# KiCad board BioAmp-EXG-Panel.kicad_pcb (continued)
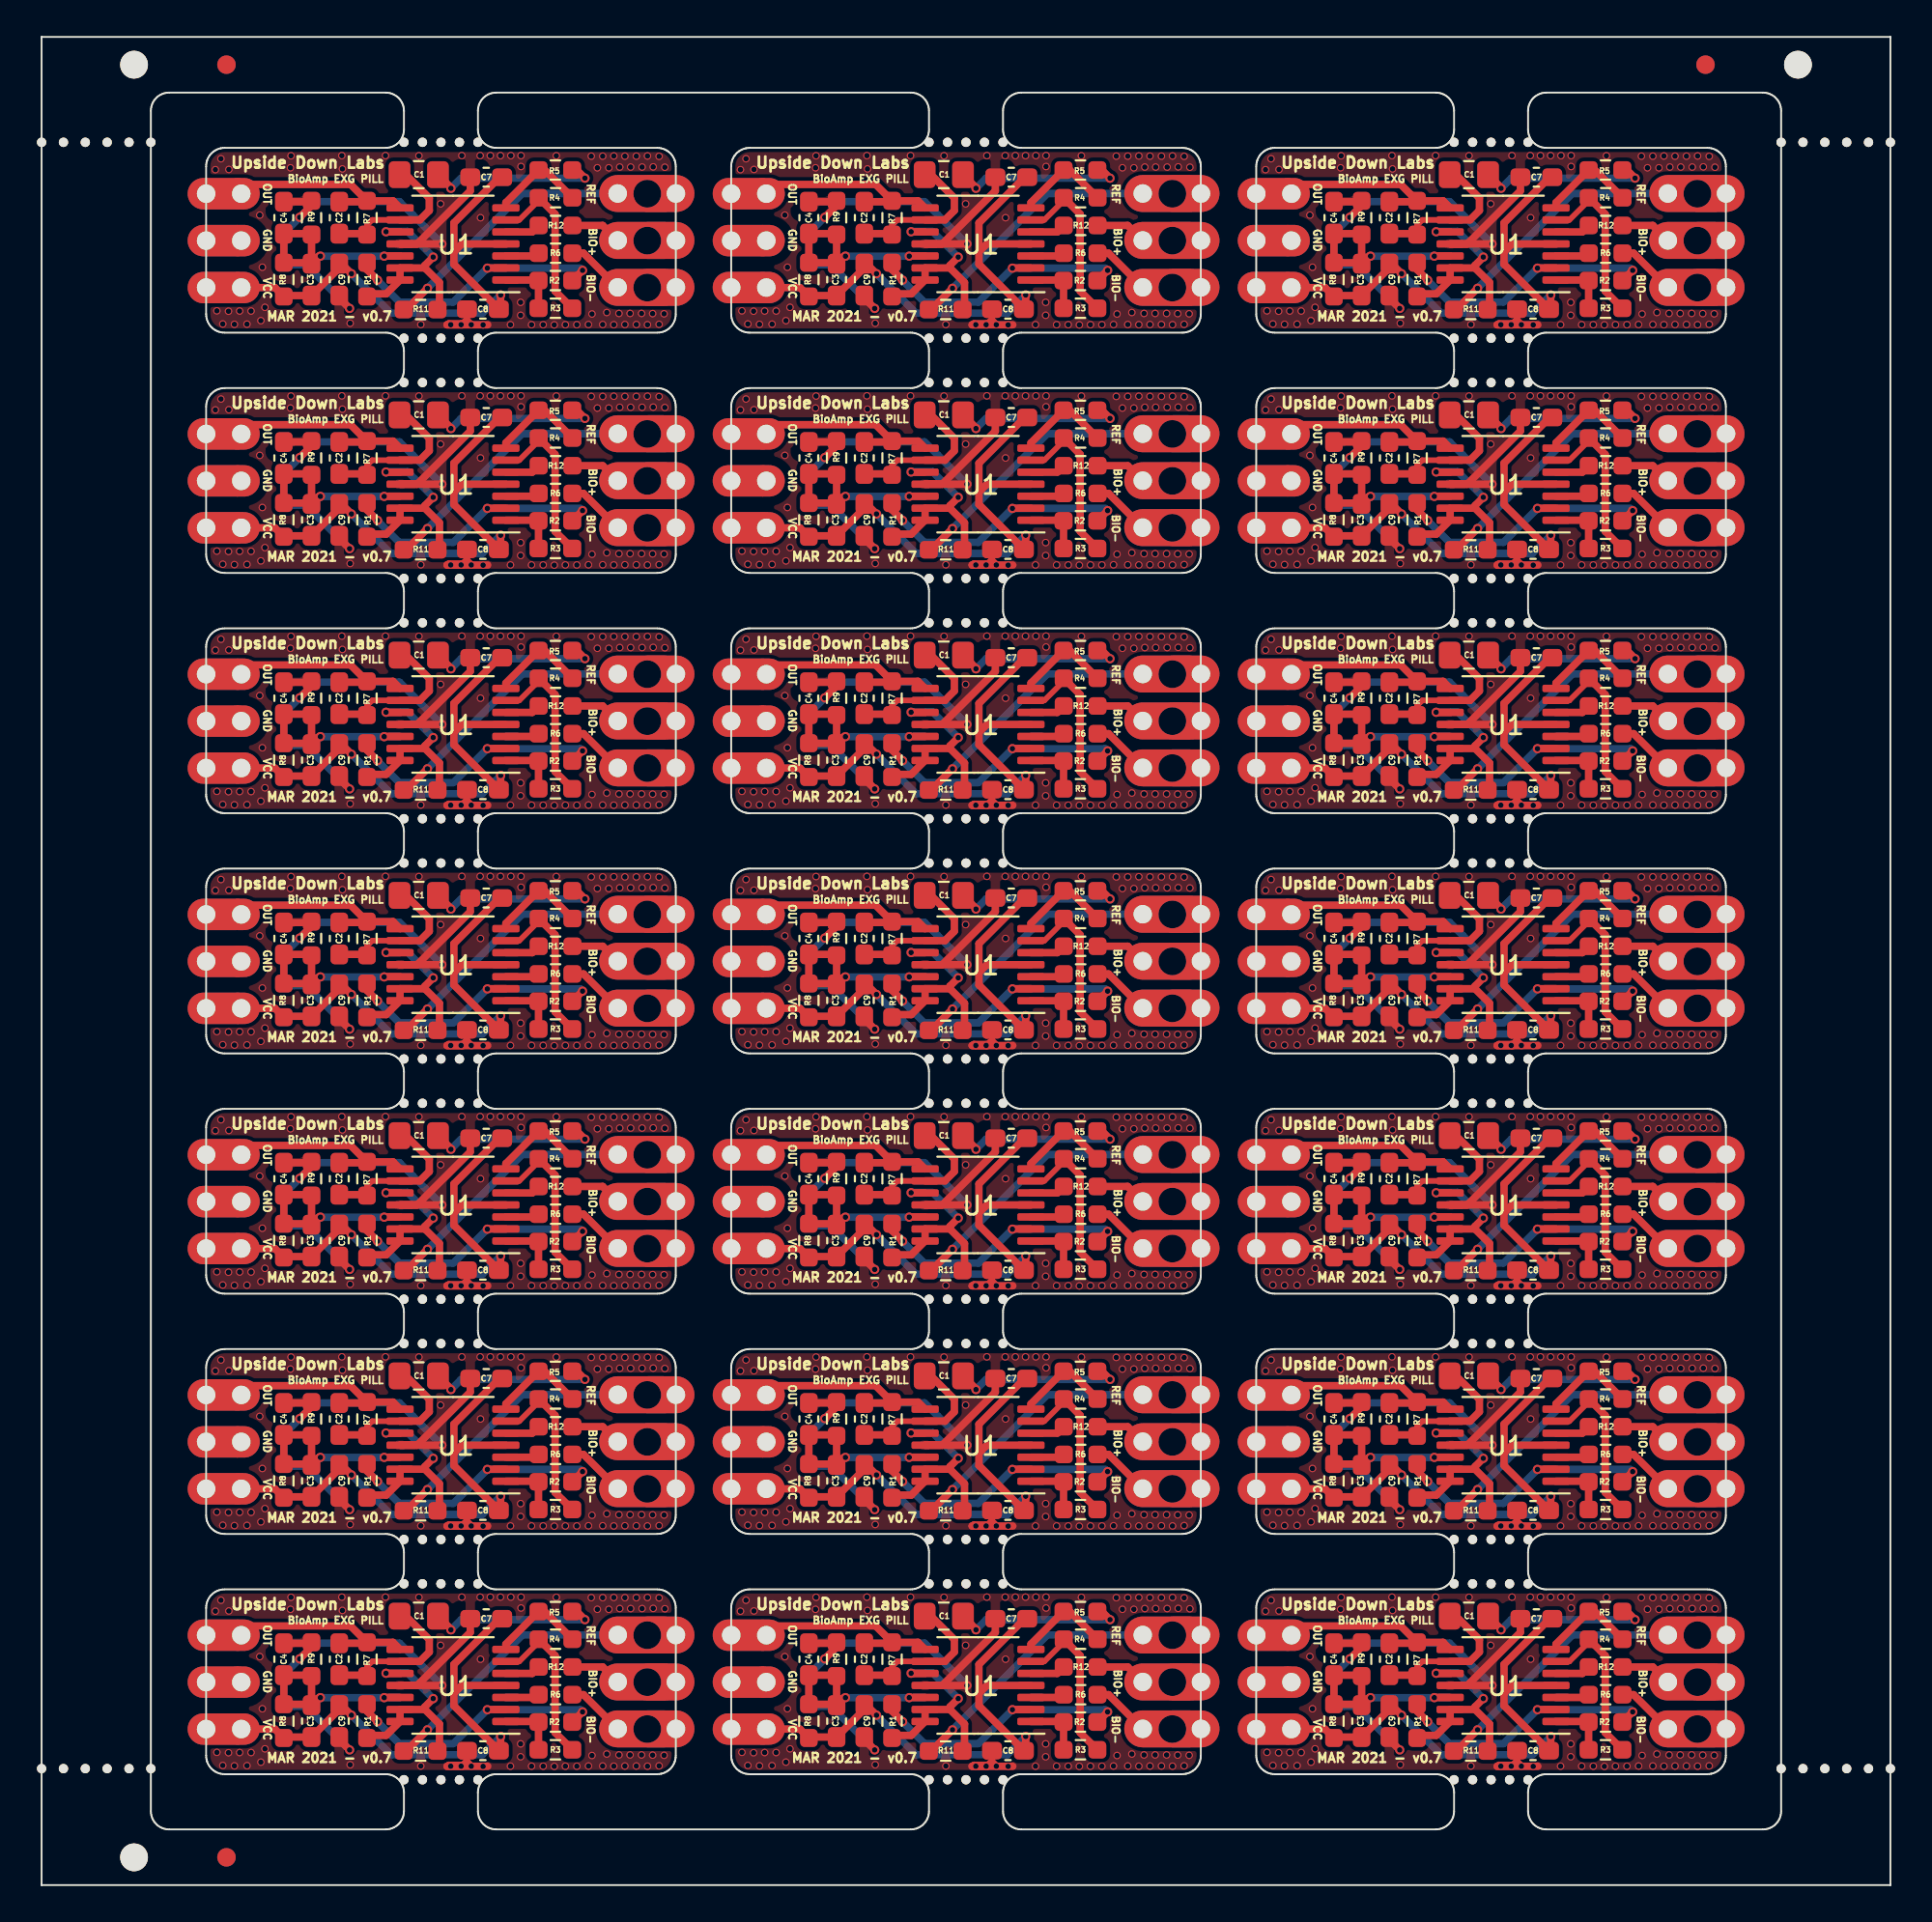
[diagram p0: board, top side]
## Placement (name value [footprint] x y rotation side) (continued)
REF**#193  -  [NPTH#2]  20.6 5.7 0 top
REF**#194  -  [NPTH#2]  21.6 5.7 0 top
REF**#195  -  [NPTH#2]  22.6 5.7 0 top
REF**#196  -  [NPTH#2]  23.6 5.7 0 top
REF**#197  -  [NPTH#2]  52 16.3 0 top
REF**#198  -  [NPTH#2]  51 16.3 0 top
REF**#199  -  [NPTH#2]  50 16.3 0 top
REF**#200  -  [NPTH#2]  49 16.3 0 top
REF**#201  -  [NPTH#2]  48 16.3 0 top
REF**#202  -  [NPTH#2]  48 5.7 0 top
REF**#203  -  [NPTH#2]  49 5.7 0 top
REF**#204  -  [NPTH#2]  50 5.7 0 top
REF**#205  -  [NPTH#2]  51 5.7 0 top
REF**#206  -  [NPTH#2]  52 5.7 0 top
REF**#207  -  [NPTH#2]  80.4 16.3 0 top
REF**#208  -  [NPTH#2]  79.4 16.3 0 top
REF**#209  -  [NPTH#2]  78.4 16.3 0 top
REF**#210  -  [NPTH#2]  77.4 16.3 0 top
REF**#211  -  [NPTH#2]  76.4 16.3 0 top
REF**#212  -  [NPTH#2]  76.4 5.7 0 top
REF**#213  -  [NPTH#2]  77.4 5.7 0 top
REF**#214  -  [NPTH#2]  78.4 5.7 0 top
REF**#215  -  [NPTH#2]  79.4 5.7 0 top
REF**#216  -  [NPTH#2]  80.4 5.7 0 top
REF**#217  -  [NPTH#2]  5.91 94.3 0 top
REF**#218  -  [NPTH#2]  4.73 94.3 0 top
REF**#219  -  [NPTH#2]  3.55 94.3 0 top
REF**#220  -  [NPTH#2]  2.36 94.3 0 top
REF**#221  -  [NPTH#2]  1.18 94.3 0 top
REF**#222  -  [NPTH#2]  0 94.3 0 top
REF**#223  -  [NPTH#2]  5.91 6.3 0 top
REF**#224  -  [NPTH#2]  4.73 6.3 0 top
REF**#225  -  [NPTH#2]  3.55 6.3 0 top
REF**#226  -  [NPTH#2]  2.36 6.3 0 top
REF**#227  -  [NPTH#2]  1.18 6.3 0 top
REF**#228  -  [NPTH#2]  0 6.3 0 top
REF**#229  -  [NPTH#2]  100 94.3 0 top
REF**#230  -  [NPTH#2]  98.82 94.3 0 top
REF**#231  -  [NPTH#2]  97.64 94.3 0 top
REF**#232  -  [NPTH#2]  96.45 94.3 0 top
REF**#233  -  [NPTH#2]  95.27 94.3 0 top
REF**#234  -  [NPTH#2]  94.09 94.3 0 top
REF**#235  -  [NPTH#2]  100 6.3 0 top
REF**#236  -  [NPTH#2]  98.82 6.3 0 top
REF**#237  -  [NPTH#2]  97.64 6.3 0 top
REF**#238  -  [NPTH#2]  96.45 6.3 0 top
REF**#239  -  [NPTH#2]  95.27 6.3 0 top
REF**#240  -  [NPTH#2]  94.09 6.3 0 top
REF**#241  -  [Fiducial]  10 98.5 0 bottom
REF**#242  -  [Fiducial]  90 98.5 0 bottom
REF**#243  -  [Fiducial]  10 1.5 0 bottom
U1  TL074  [TSSOP-14_4.4x5mm_P0.65mm]  22.25 88.8 180 top
U1#2  TL074  [TSSOP-14_4.4x5mm_P0.65mm]  50.65 88.8 180 top
U1#3  TL074  [TSSOP-14_4.4x5mm_P0.65mm]  79.05 88.8 180 top
U1#4  TL074  [TSSOP-14_4.4x5mm_P0.65mm]  22.25 75.8 180 top
U1#5  TL074  [TSSOP-14_4.4x5mm_P0.65mm]  50.65 75.8 180 top
U1#6  TL074  [TSSOP-14_4.4x5mm_P0.65mm]  79.05 75.8 180 top
U1#7  TL074  [TSSOP-14_4.4x5mm_P0.65mm]  22.25 62.8 180 top
U1#8  TL074  [TSSOP-14_4.4x5mm_P0.65mm]  50.65 62.8 180 top
U1#9  TL074  [TSSOP-14_4.4x5mm_P0.65mm]  79.05 62.8 180 top
U1#10  TL074  [TSSOP-14_4.4x5mm_P0.65mm]  22.25 49.8 180 top
U1#11  TL074  [TSSOP-14_4.4x5mm_P0.65mm]  50.65 49.8 180 top
U1#12  TL074  [TSSOP-14_4.4x5mm_P0.65mm]  79.05 49.8 180 top
U1#13  TL074  [TSSOP-14_4.4x5mm_P0.65mm]  22.25 36.8 180 top
U1#14  TL074  [TSSOP-14_4.4x5mm_P0.65mm]  50.65 36.8 180 top
U1#15  TL074  [TSSOP-14_4.4x5mm_P0.65mm]  79.05 36.8 180 top
U1#16  TL074  [TSSOP-14_4.4x5mm_P0.65mm]  22.25 23.8 180 top
U1#17  TL074  [TSSOP-14_4.4x5mm_P0.65mm]  50.65 23.8 180 top
U1#18  TL074  [TSSOP-14_4.4x5mm_P0.65mm]  79.05 23.8 180 top
U1#19  TL074  [TSSOP-14_4.4x5mm_P0.65mm]  22.25 10.8 180 top
U1#20  TL074  [TSSOP-14_4.4x5mm_P0.65mm]  50.65 10.8 180 top
U1#21  TL074  [TSSOP-14_4.4x5mm_P0.65mm]  79.05 10.8 180 top

## Footprints (pads in the part's own frame, mm; a bottom-side part is the same pattern mirrored in y, then rotated)
C_0603_1608Metric_Pad1.08x0.95mm_HandSolder
  rrect 1.075x0.95 smd: 1(-0.863,0) 2(0.863,0)
C_0805_2012Metric_Pad1.18x1.45mm_HandSolder
  rrect 1.175x1.45 smd: 1(-1.038,0) 2(1.038,0)
Fiducial
  round 1 smd: (0,0)
NPTH
  round 1.5 hole 1.5 unplated: (0,0)
NPTH#2
  round 0.5 hole 0.5 unplated: (0,0)
PinHeader_1x03_P2.54mm_Vertical
  oval 3.5x1.7 hole 1: 1(0,0) 2(0,-2.54) 3(0,-5.08)
PinHeader_1x03_P2.54mm_Vertical#2
  oval 3.5x2 hole 1: 1(0,0) 2(0,-2.54) 3(0,-5.08)
PinHeader_1x03_P2.54mm_Vertical#3
  oval 4.5x2 hole 1: 1(0,0) 2(0,-2.54) 3(0,-5.08)
PinHeader_1x03_P2.54mm_Vertical#4
  oval 2x1.7 hole 1: 1(0,0) 2(0,-2.54) 3(0,-5.08)
R_0603_1608Metric_Pad0.98x0.95mm_HandSolder
  rrect 0.975x0.95 smd: 1(-0.912,0) 2(0.912,0)
TSSOP-14_4.4x5mm_P0.65mm
  rrect 1.475x0.4 smd: 1(-2.862,1.95) 2(-2.862,1.3) 3(-2.862,0.65) 4(-2.862,0) 5(-2.862,-0.65) 6(-2.862,-1.3) 7(-2.862,-1.95) 8(2.862,-1.95) 9(2.862,-1.3) 10(2.862,-0.65) 11(2.862,0) 12(2.862,0.65) 13(2.862,1.3) 14(2.862,1.95)

## Nets
Board_1-ampRef: R1.2 R11.2 U1.10 U1.13 U1.14
Board_1-BIO+: J1.2 J1#2.2 R12.2
Board_1-BIO-: J1.3 J1#2.3 R6.2
Board_1-DRL: J1.1 J1#2.1 R11.1
Board_1-GND: C4.2 C7.2 C8.1 C9.1 J2.2 J2#2.2 R9.1 U1.11
Board_1-inaOUT: R4.1 R5.2 U1.7
Board_1-Net-(C1-Pad1): C1.1 C2.2 R7.2 U1.9
Board_1-Net-(C1-Pad2): C1.2 R5.1
Board_1-Net-(R1-Pad1): R1.1 R2.2 U1.2
Board_1-Net-(R2-Pad1): R2.1 R3.2 U1.1
Board_1-Net-(R3-Pad1): R3.1 R4.2 U1.6
Board_1-Net-(R6-Pad1): R6.1 U1.3
Board_1-Net-(R12-Pad1): R12.1 U1.5
Board_1-OUT: C2.1 J2.1 J2#2.1 R7.1 U1.8
Board_1-VCC: C3.1 C7.1 C8.2 C9.2 J2.3 J2#2.3 R8.2 U1.4
Board_1-vRef: C3.2 C4.1 R8.1 R9.2 U1.12
Board_2-ampRef: R1#2.2 R11#2.2 U1#2.10 U1#2.13 U1#2.14
Board_2-BIO+: J1#3.2 J1#4.2 R12#2.2
Board_2-BIO-: J1#3.3 J1#4.3 R6#2.2
Board_2-DRL: J1#3.1 J1#4.1 R11#2.1
Board_2-GND: C4#2.2 C7#2.2 C8#2.1 C9#2.1 J2#3.2 J2#4.2 R9#2.1 U1#2.11
Board_2-inaOUT: R4#2.1 R5#2.2 U1#2.7
Board_2-Net-(C1-Pad1): C1#2.1 C2#2.2 R7#2.2 U1#2.9
Board_2-Net-(C1-Pad2): C1#2.2 R5#2.1
Board_2-Net-(R1-Pad1): R1#2.1 R2#2.2 U1#2.2
Board_2-Net-(R2-Pad1): R2#2.1 R3#2.2 U1#2.1
Board_2-Net-(R3-Pad1): R3#2.1 R4#2.2 U1#2.6
Board_2-Net-(R6-Pad1): R6#2.1 U1#2.3
Board_2-Net-(R12-Pad1): R12#2.1 U1#2.5
Board_2-OUT: C2#2.1 J2#3.1 J2#4.1 R7#2.1 U1#2.8
Board_2-VCC: C3#2.1 C7#2.1 C8#2.2 C9#2.2 J2#3.3 J2#4.3 R8#2.2 U1#2.4
Board_2-vRef: C3#2.2 C4#2.1 R8#2.1 R9#2.2 U1#2.12
Board_3-ampRef: R1#3.2 R11#3.2 U1#3.10 U1#3.13 U1#3.14
Board_3-BIO+: J1#5.2 J1#6.2 R12#3.2
Board_3-BIO-: J1#5.3 J1#6.3 R6#3.2
Board_3-DRL: J1#5.1 J1#6.1 R11#3.1
Board_3-GND: C4#3.2 C7#3.2 C8#3.1 C9#3.1 J2#5.2 J2#6.2 R9#3.1 U1#3.11
Board_3-inaOUT: R4#3.1 R5#3.2 U1#3.7
Board_3-Net-(C1-Pad1): C1#3.1 C2#3.2 R7#3.2 U1#3.9
Board_3-Net-(C1-Pad2): C1#3.2 R5#3.1
Board_3-Net-(R1-Pad1): R1#3.1 R2#3.2 U1#3.2
Board_3-Net-(R2-Pad1): R2#3.1 R3#3.2 U1#3.1
Board_3-Net-(R3-Pad1): R3#3.1 R4#3.2 U1#3.6
Board_3-Net-(R6-Pad1): R6#3.1 U1#3.3
Board_3-Net-(R12-Pad1): R12#3.1 U1#3.5
Board_3-OUT: C2#3.1 J2#5.1 J2#6.1 R7#3.1 U1#3.8
Board_3-VCC: C3#3.1 C7#3.1 C8#3.2 C9#3.2 J2#5.3 J2#6.3 R8#3.2 U1#3.4
Board_3-vRef: C3#3.2 C4#3.1 R8#3.1 R9#3.2 U1#3.12
Board_4-ampRef: R1#4.2 R11#4.2 U1#4.10 U1#4.13 U1#4.14
Board_4-BIO+: J1#7.2 J1#8.2 R12#4.2
Board_4-BIO-: J1#7.3 J1#8.3 R6#4.2
Board_4-DRL: J1#7.1 J1#8.1 R11#4.1
Board_4-GND: C4#4.2 C7#4.2 C8#4.1 C9#4.1 J2#7.2 J2#8.2 R9#4.1 U1#4.11
Board_4-inaOUT: R4#4.1 R5#4.2 U1#4.7
Board_4-Net-(C1-Pad1): C1#4.1 C2#4.2 R7#4.2 U1#4.9
Board_4-Net-(C1-Pad2): C1#4.2 R5#4.1
Board_4-Net-(R1-Pad1): R1#4.1 R2#4.2 U1#4.2
Board_4-Net-(R2-Pad1): R2#4.1 R3#4.2 U1#4.1
Board_4-Net-(R3-Pad1): R3#4.1 R4#4.2 U1#4.6
Board_4-Net-(R6-Pad1): R6#4.1 U1#4.3
Board_4-Net-(R12-Pad1): R12#4.1 U1#4.5
Board_4-OUT: C2#4.1 J2#7.1 J2#8.1 R7#4.1 U1#4.8
Board_4-VCC: C3#4.1 C7#4.1 C8#4.2 C9#4.2 J2#7.3 J2#8.3 R8#4.2 U1#4.4
Board_4-vRef: C3#4.2 C4#4.1 R8#4.1 R9#4.2 U1#4.12
Board_5-ampRef: R1#5.2 R11#5.2 U1#5.10 U1#5.13 U1#5.14
Board_5-BIO+: J1#9.2 J1#10.2 R12#5.2
Board_5-BIO-: J1#9.3 J1#10.3 R6#5.2
Board_5-DRL: J1#9.1 J1#10.1 R11#5.1
Board_5-GND: C4#5.2 C7#5.2 C8#5.1 C9#5.1 J2#9.2 J2#10.2 R9#5.1 U1#5.11
Board_5-inaOUT: R4#5.1 R5#5.2 U1#5.7
Board_5-Net-(C1-Pad1): C1#5.1 C2#5.2 R7#5.2 U1#5.9
Board_5-Net-(C1-Pad2): C1#5.2 R5#5.1
Board_5-Net-(R1-Pad1): R1#5.1 R2#5.2 U1#5.2
Board_5-Net-(R2-Pad1): R2#5.1 R3#5.2 U1#5.1
Board_5-Net-(R3-Pad1): R3#5.1 R4#5.2 U1#5.6
Board_5-Net-(R6-Pad1): R6#5.1 U1#5.3
Board_5-Net-(R12-Pad1): R12#5.1 U1#5.5
Board_5-OUT: C2#5.1 J2#9.1 J2#10.1 R7#5.1 U1#5.8
Board_5-VCC: C3#5.1 C7#5.1 C8#5.2 C9#5.2 J2#9.3 J2#10.3 R8#5.2 U1#5.4
Board_5-vRef: C3#5.2 C4#5.1 R8#5.1 R9#5.2 U1#5.12
Board_6-ampRef: R1#6.2 R11#6.2 U1#6.10 U1#6.13 U1#6.14
Board_6-BIO+: J1#11.2 J1#12.2 R12#6.2
Board_6-BIO-: J1#11.3 J1#12.3 R6#6.2
Board_6-DRL: J1#11.1 J1#12.1 R11#6.1
Board_6-GND: C4#6.2 C7#6.2 C8#6.1 C9#6.1 J2#11.2 J2#12.2 R9#6.1 U1#6.11
Board_6-inaOUT: R4#6.1 R5#6.2 U1#6.7
Board_6-Net-(C1-Pad1): C1#6.1 C2#6.2 R7#6.2 U1#6.9
Board_6-Net-(C1-Pad2): C1#6.2 R5#6.1
Board_6-Net-(R1-Pad1): R1#6.1 R2#6.2 U1#6.2
Board_6-Net-(R2-Pad1): R2#6.1 R3#6.2 U1#6.1
Board_6-Net-(R3-Pad1): R3#6.1 R4#6.2 U1#6.6
Board_6-Net-(R6-Pad1): R6#6.1 U1#6.3
Board_6-Net-(R12-Pad1): R12#6.1 U1#6.5
Board_6-OUT: C2#6.1 J2#11.1 J2#12.1 R7#6.1 U1#6.8
Board_6-VCC: C3#6.1 C7#6.1 C8#6.2 C9#6.2 J2#11.3 J2#12.3 R8#6.2 U1#6.4
Board_6-vRef: C3#6.2 C4#6.1 R8#6.1 R9#6.2 U1#6.12
Board_7-ampRef: R1#7.2 R11#7.2 U1#7.10 U1#7.13 U1#7.14
Board_7-BIO+: J1#13.2 J1#14.2 R12#7.2
Board_7-BIO-: J1#13.3 J1#14.3 R6#7.2
Board_7-DRL: J1#13.1 J1#14.1 R11#7.1
Board_7-GND: C4#7.2 C7#7.2 C8#7.1 C9#7.1 J2#13.2 J2#14.2 R9#7.1 U1#7.11
Board_7-inaOUT: R4#7.1 R5#7.2 U1#7.7
Board_7-Net-(C1-Pad1): C1#7.1 C2#7.2 R7#7.2 U1#7.9
Board_7-Net-(C1-Pad2): C1#7.2 R5#7.1
Board_7-Net-(R1-Pad1): R1#7.1 R2#7.2 U1#7.2
Board_7-Net-(R2-Pad1): R2#7.1 R3#7.2 U1#7.1
Board_7-Net-(R3-Pad1): R3#7.1 R4#7.2 U1#7.6
Board_7-Net-(R6-Pad1): R6#7.1 U1#7.3
Board_7-Net-(R12-Pad1): R12#7.1 U1#7.5
Board_7-OUT: C2#7.1 J2#13.1 J2#14.1 R7#7.1 U1#7.8
Board_7-VCC: C3#7.1 C7#7.1 C8#7.2 C9#7.2 J2#13.3 J2#14.3 R8#7.2 U1#7.4
Board_7-vRef: C3#7.2 C4#7.1 R8#7.1 R9#7.2 U1#7.12
Board_8-ampRef: R1#8.2 R11#8.2 U1#8.10 U1#8.13 U1#8.14
Board_8-BIO+: J1#15.2 J1#16.2 R12#8.2
Board_8-BIO-: J1#15.3 J1#16.3 R6#8.2
Board_8-DRL: J1#15.1 J1#16.1 R11#8.1
Board_8-GND: C4#8.2 C7#8.2 C8#8.1 C9#8.1 J2#15.2 J2#16.2 R9#8.1 U1#8.11
Board_8-inaOUT: R4#8.1 R5#8.2 U1#8.7
Board_8-Net-(C1-Pad1): C1#8.1 C2#8.2 R7#8.2 U1#8.9
Board_8-Net-(C1-Pad2): C1#8.2 R5#8.1
Board_8-Net-(R1-Pad1): R1#8.1 R2#8.2 U1#8.2
Board_8-Net-(R2-Pad1): R2#8.1 R3#8.2 U1#8.1
Board_8-Net-(R3-Pad1): R3#8.1 R4#8.2 U1#8.6
Board_8-Net-(R6-Pad1): R6#8.1 U1#8.3
Board_8-Net-(R12-Pad1): R12#8.1 U1#8.5
Board_8-OUT: C2#8.1 J2#15.1 J2#16.1 R7#8.1 U1#8.8
Board_8-VCC: C3#8.1 C7#8.1 C8#8.2 C9#8.2 J2#15.3 J2#16.3 R8#8.2 U1#8.4
Board_8-vRef: C3#8.2 C4#8.1 R8#8.1 R9#8.2 U1#8.12
Board_9-ampRef: R1#9.2 R11#9.2 U1#9.10 U1#9.13 U1#9.14
Board_9-BIO+: J1#17.2 J1#18.2 R12#9.2
Board_9-BIO-: J1#17.3 J1#18.3 R6#9.2
Board_9-DRL: J1#17.1 J1#18.1 R11#9.1
Board_9-GND: C4#9.2 C7#9.2 C8#9.1 C9#9.1 J2#17.2 J2#18.2 R9#9.1 U1#9.11
Board_9-inaOUT: R4#9.1 R5#9.2 U1#9.7
Board_9-Net-(C1-Pad1): C1#9.1 C2#9.2 R7#9.2 U1#9.9
Board_9-Net-(C1-Pad2): C1#9.2 R5#9.1
Board_9-Net-(R1-Pad1): R1#9.1 R2#9.2 U1#9.2
Board_9-Net-(R2-Pad1): R2#9.1 R3#9.2 U1#9.1
Board_9-Net-(R3-Pad1): R3#9.1 R4#9.2 U1#9.6
Board_9-Net-(R6-Pad1): R6#9.1 U1#9.3
Board_9-Net-(R12-Pad1): R12#9.1 U1#9.5
Board_9-OUT: C2#9.1 J2#17.1 J2#18.1 R7#9.1 U1#9.8
Board_9-VCC: C3#9.1 C7#9.1 C8#9.2 C9#9.2 J2#17.3 J2#18.3 R8#9.2 U1#9.4
Board_9-vRef: C3#9.2 C4#9.1 R8#9.1 R9#9.2 U1#9.12
Board_10-ampRef: R1#10.2 R11#10.2 U1#10.10 U1#10.13 U1#10.14
Board_10-BIO+: J1#19.2 J1#20.2 R12#10.2
Board_10-BIO-: J1#19.3 J1#20.3 R6#10.2
Board_10-DRL: J1#19.1 J1#20.1 R11#10.1
Board_10-GND: C4#10.2 C7#10.2 C8#10.1 C9#10.1 J2#19.2 J2#20.2 R9#10.1 U1#10.11
Board_10-inaOUT: R4#10.1 R5#10.2 U1#10.7
Board_10-Net-(C1-Pad1): C1#10.1 C2#10.2 R7#10.2 U1#10.9
Board_10-Net-(C1-Pad2): C1#10.2 R5#10.1
Board_10-Net-(R1-Pad1): R1#10.1 R2#10.2 U1#10.2
Board_10-Net-(R2-Pad1): R2#10.1 R3#10.2 U1#10.1
Board_10-Net-(R3-Pad1): R3#10.1 R4#10.2 U1#10.6
Board_10-Net-(R6-Pad1): R6#10.1 U1#10.3
Board_10-Net-(R12-Pad1): R12#10.1 U1#10.5
Board_10-OUT: C2#10.1 J2#19.1 J2#20.1 R7#10.1 U1#10.8
Board_10-VCC: C3#10.1 C7#10.1 C8#10.2 C9#10.2 J2#19.3 J2#20.3 R8#10.2 U1#10.4
Board_10-vRef: C3#10.2 C4#10.1 R8#10.1 R9#10.2 U1#10.12
Board_11-ampRef: R1#11.2 R11#11.2 U1#11.10 U1#11.13 U1#11.14
Board_11-BIO+: J1#21.2 J1#22.2 R12#11.2
Board_11-BIO-: J1#21.3 J1#22.3 R6#11.2
Board_11-DRL: J1#21.1 J1#22.1 R11#11.1
Board_11-GND: C4#11.2 C7#11.2 C8#11.1 C9#11.1 J2#21.2 J2#22.2 R9#11.1 U1#11.11
Board_11-inaOUT: R4#11.1 R5#11.2 U1#11.7
Board_11-Net-(C1-Pad1): C1#11.1 C2#11.2 R7#11.2 U1#11.9
Board_11-Net-(C1-Pad2): C1#11.2 R5#11.1
Board_11-Net-(R1-Pad1): R1#11.1 R2#11.2 U1#11.2
Board_11-Net-(R2-Pad1): R2#11.1 R3#11.2 U1#11.1
Board_11-Net-(R3-Pad1): R3#11.1 R4#11.2 U1#11.6
Board_11-Net-(R6-Pad1): R6#11.1 U1#11.3
Board_11-Net-(R12-Pad1): R12#11.1 U1#11.5
Board_11-OUT: C2#11.1 J2#21.1 J2#22.1 R7#11.1 U1#11.8
Board_11-VCC: C3#11.1 C7#11.1 C8#11.2 C9#11.2 J2#21.3 J2#22.3 R8#11.2 U1#11.4
Board_11-vRef: C3#11.2 C4#11.1 R8#11.1 R9#11.2 U1#11.12
Board_12-ampRef: R1#12.2 R11#12.2 U1#12.10 U1#12.13 U1#12.14
Board_12-BIO+: J1#23.2 J1#24.2 R12#12.2
Board_12-BIO-: J1#23.3 J1#24.3 R6#12.2
Board_12-DRL: J1#23.1 J1#24.1 R11#12.1
Board_12-GND: C4#12.2 C7#12.2 C8#12.1 C9#12.1 J2#23.2 J2#24.2 R9#12.1 U1#12.11
Board_12-inaOUT: R4#12.1 R5#12.2 U1#12.7
Board_12-Net-(C1-Pad1): C1#12.1 C2#12.2 R7#12.2 U1#12.9
Board_12-Net-(C1-Pad2): C1#12.2 R5#12.1
Board_12-Net-(R1-Pad1): R1#12.1 R2#12.2 U1#12.2
Board_12-Net-(R2-Pad1): R2#12.1 R3#12.2 U1#12.1
Board_12-Net-(R3-Pad1): R3#12.1 R4#12.2 U1#12.6
Board_12-Net-(R6-Pad1): R6#12.1 U1#12.3
Board_12-Net-(R12-Pad1): R12#12.1 U1#12.5
Board_12-OUT: C2#12.1 J2#23.1 J2#24.1 R7#12.1 U1#12.8
Board_12-VCC: C3#12.1 C7#12.1 C8#12.2 C9#12.2 J2#23.3 J2#24.3 R8#12.2 U1#12.4
Board_12-vRef: C3#12.2 C4#12.1 R8#12.1 R9#12.2 U1#12.12
Board_13-ampRef: R1#13.2 R11#13.2 U1#13.10 U1#13.13 U1#13.14
Board_13-BIO+: J1#25.2 J1#26.2 R12#13.2
Board_13-BIO-: J1#25.3 J1#26.3 R6#13.2
Board_13-DRL: J1#25.1 J1#26.1 R11#13.1
Board_13-GND: C4#13.2 C7#13.2 C8#13.1 C9#13.1 J2#25.2 J2#26.2 R9#13.1 U1#13.11
Board_13-inaOUT: R4#13.1 R5#13.2 U1#13.7
Board_13-Net-(C1-Pad1): C1#13.1 C2#13.2 R7#13.2 U1#13.9
Board_13-Net-(C1-Pad2): C1#13.2 R5#13.1
Board_13-Net-(R1-Pad1): R1#13.1 R2#13.2 U1#13.2
Board_13-Net-(R2-Pad1): R2#13.1 R3#13.2 U1#13.1
Board_13-Net-(R3-Pad1): R3#13.1 R4#13.2 U1#13.6
Board_13-Net-(R6-Pad1): R6#13.1 U1#13.3
Board_13-Net-(R12-Pad1): R12#13.1 U1#13.5
Board_13-OUT: C2#13.1 J2#25.1 J2#26.1 R7#13.1 U1#13.8
Board_13-VCC: C3#13.1 C7#13.1 C8#13.2 C9#13.2 J2#25.3 J2#26.3 R8#13.2 U1#13.4
Board_13-vRef: C3#13.2 C4#13.1 R8#13.1 R9#13.2 U1#13.12
Board_14-ampRef: R1#14.2 R11#14.2 U1#14.10 U1#14.13 U1#14.14
Board_14-BIO+: J1#27.2 J1#28.2 R12#14.2
Board_14-BIO-: J1#27.3 J1#28.3 R6#14.2
Board_14-DRL: J1#27.1 J1#28.1 R11#14.1
Board_14-GND: C4#14.2 C7#14.2 C8#14.1 C9#14.1 J2#27.2 J2#28.2 R9#14.1 U1#14.11
Board_14-inaOUT: R4#14.1 R5#14.2 U1#14.7
Board_14-Net-(C1-Pad1): C1#14.1 C2#14.2 R7#14.2 U1#14.9
Board_14-Net-(C1-Pad2): C1#14.2 R5#14.1
Board_14-Net-(R1-Pad1): R1#14.1 R2#14.2 U1#14.2
Board_14-Net-(R2-Pad1): R2#14.1 R3#14.2 U1#14.1
Board_14-Net-(R3-Pad1): R3#14.1 R4#14.2 U1#14.6
Board_14-Net-(R6-Pad1): R6#14.1 U1#14.3
Board_14-Net-(R12-Pad1): R12#14.1 U1#14.5
Board_14-OUT: C2#14.1 J2#27.1 J2#28.1 R7#14.1 U1#14.8
Board_14-VCC: C3#14.1 C7#14.1 C8#14.2 C9#14.2 J2#27.3 J2#28.3 R8#14.2 U1#14.4
Board_14-vRef: C3#14.2 C4#14.1 R8#14.1 R9#14.2 U1#14.12
Board_15-ampRef: R1#15.2 R11#15.2 U1#15.10 U1#15.13 U1#15.14
Board_15-BIO+: J1#29.2 J1#30.2 R12#15.2
Board_15-BIO-: J1#29.3 J1#30.3 R6#15.2
Board_15-DRL: J1#29.1 J1#30.1 R11#15.1
Board_15-GND: C4#15.2 C7#15.2 C8#15.1 C9#15.1 J2#29.2 J2#30.2 R9#15.1 U1#15.11
Board_15-inaOUT: R4#15.1 R5#15.2 U1#15.7
Board_15-Net-(C1-Pad1): C1#15.1 C2#15.2 R7#15.2 U1#15.9
Board_15-Net-(C1-Pad2): C1#15.2 R5#15.1
Board_15-Net-(R1-Pad1): R1#15.1 R2#15.2 U1#15.2
Board_15-Net-(R2-Pad1): R2#15.1 R3#15.2 U1#15.1
Board_15-Net-(R3-Pad1): R3#15.1 R4#15.2 U1#15.6
Board_15-Net-(R6-Pad1): R6#15.1 U1#15.3
Board_15-Net-(R12-Pad1): R12#15.1 U1#15.5
Board_15-OUT: C2#15.1 J2#29.1 J2#30.1 R7#15.1 U1#15.8
Board_15-VCC: C3#15.1 C7#15.1 C8#15.2 C9#15.2 J2#29.3 J2#30.3 R8#15.2 U1#15.4
Board_15-vRef: C3#15.2 C4#15.1 R8#15.1 R9#15.2 U1#15.12
Board_16-ampRef: R1#16.2 R11#16.2 U1#16.10 U1#16.13 U1#16.14
Board_16-BIO+: J1#31.2 J1#32.2 R12#16.2
Board_16-BIO-: J1#31.3 J1#32.3 R6#16.2
Board_16-DRL: J1#31.1 J1#32.1 R11#16.1
Board_16-GND: C4#16.2 C7#16.2 C8#16.1 C9#16.1 J2#31.2 J2#32.2 R9#16.1 U1#16.11
Board_16-inaOUT: R4#16.1 R5#16.2 U1#16.7
Board_16-Net-(C1-Pad1): C1#16.1 C2#16.2 R7#16.2 U1#16.9
Board_16-Net-(C1-Pad2): C1#16.2 R5#16.1
Board_16-Net-(R1-Pad1): R1#16.1 R2#16.2 U1#16.2
Board_16-Net-(R2-Pad1): R2#16.1 R3#16.2 U1#16.1
Board_16-Net-(R3-Pad1): R3#16.1 R4#16.2 U1#16.6
Board_16-Net-(R6-Pad1): R6#16.1 U1#16.3
Board_16-Net-(R12-Pad1): R12#16.1 U1#16.5
Board_16-OUT: C2#16.1 J2#31.1 J2#32.1 R7#16.1 U1#16.8
Board_16-VCC: C3#16.1 C7#16.1 C8#16.2 C9#16.2 J2#31.3 J2#32.3 R8#16.2 U1#16.4
Board_16-vRef: C3#16.2 C4#16.1 R8#16.1 R9#16.2 U1#16.12
Board_17-ampRef: R1#17.2 R11#17.2 U1#17.10 U1#17.13 U1#17.14
Board_17-BIO+: J1#33.2 J1#34.2 R12#17.2
Board_17-BIO-: J1#33.3 J1#34.3 R6#17.2
Board_17-DRL: J1#33.1 J1#34.1 R11#17.1
Board_17-GND: C4#17.2 C7#17.2 C8#17.1 C9#17.1 J2#33.2 J2#34.2 R9#17.1 U1#17.11
Board_17-inaOUT: R4#17.1 R5#17.2 U1#17.7
Board_17-Net-(C1-Pad1): C1#17.1 C2#17.2 R7#17.2 U1#17.9
Board_17-Net-(C1-Pad2): C1#17.2 R5#17.1
Board_17-Net-(R1-Pad1): R1#17.1 R2#17.2 U1#17.2
Board_17-Net-(R2-Pad1): R2#17.1 R3#17.2 U1#17.1
Board_17-Net-(R3-Pad1): R3#17.1 R4#17.2 U1#17.6
Board_17-Net-(R6-Pad1): R6#17.1 U1#17.3
Board_17-Net-(R12-Pad1): R12#17.1 U1#17.5
Board_17-OUT: C2#17.1 J2#33.1 J2#34.1 R7#17.1 U1#17.8
Board_17-VCC: C3#17.1 C7#17.1 C8#17.2 C9#17.2 J2#33.3 J2#34.3 R8#17.2 U1#17.4
Board_17-vRef: C3#17.2 C4#17.1 R8#17.1 R9#17.2 U1#17.12
Board_18-ampRef: R1#18.2 R11#18.2 U1#18.10 U1#18.13 U1#18.14
Board_18-BIO+: J1#35.2 J1#36.2 R12#18.2
Board_18-BIO-: J1#35.3 J1#36.3 R6#18.2
Board_18-DRL: J1#35.1 J1#36.1 R11#18.1
Board_18-GND: C4#18.2 C7#18.2 C8#18.1 C9#18.1 J2#35.2 J2#36.2 R9#18.1 U1#18.11
Board_18-inaOUT: R4#18.1 R5#18.2 U1#18.7
Board_18-Net-(C1-Pad1): C1#18.1 C2#18.2 R7#18.2 U1#18.9
Board_18-Net-(C1-Pad2): C1#18.2 R5#18.1
Board_18-Net-(R1-Pad1): R1#18.1 R2#18.2 U1#18.2
Board_18-Net-(R2-Pad1): R2#18.1 R3#18.2 U1#18.1
Board_18-Net-(R3-Pad1): R3#18.1 R4#18.2 U1#18.6
Board_18-Net-(R6-Pad1): R6#18.1 U1#18.3
Board_18-Net-(R12-Pad1): R12#18.1 U1#18.5
Board_18-OUT: C2#18.1 J2#35.1 J2#36.1 R7#18.1 U1#18.8
Board_18-VCC: C3#18.1 C7#18.1 C8#18.2 C9#18.2 J2#35.3 J2#36.3 R8#18.2 U1#18.4
Board_18-vRef: C3#18.2 C4#18.1 R8#18.1 R9#18.2 U1#18.12
Board_19-ampRef: R1#19.2 R11#19.2 U1#19.10 U1#19.13 U1#19.14
Board_19-BIO+: J1#37.2 J1#38.2 R12#19.2
Board_19-BIO-: J1#37.3 J1#38.3 R6#19.2
Board_19-DRL: J1#37.1 J1#38.1 R11#19.1
Board_19-GND: C4#19.2 C7#19.2 C8#19.1 C9#19.1 J2#37.2 J2#38.2 R9#19.1 U1#19.11
Board_19-inaOUT: R4#19.1 R5#19.2 U1#19.7
Board_19-Net-(C1-Pad1): C1#19.1 C2#19.2 R7#19.2 U1#19.9
Board_19-Net-(C1-Pad2): C1#19.2 R5#19.1
Board_19-Net-(R1-Pad1): R1#19.1 R2#19.2 U1#19.2
Board_19-Net-(R2-Pad1): R2#19.1 R3#19.2 U1#19.1
Board_19-Net-(R3-Pad1): R3#19.1 R4#19.2 U1#19.6
Board_19-Net-(R6-Pad1): R6#19.1 U1#19.3
Board_19-Net-(R12-Pad1): R12#19.1 U1#19.5
Board_19-OUT: C2#19.1 J2#37.1 J2#38.1 R7#19.1 U1#19.8
Board_19-VCC: C3#19.1 C7#19.1 C8#19.2 C9#19.2 J2#37.3 J2#38.3 R8#19.2 U1#19.4
Board_19-vRef: C3#19.2 C4#19.1 R8#19.1 R9#19.2 U1#19.12
Board_20-ampRef: R1#20.2 R11#20.2 U1#20.10 U1#20.13 U1#20.14
Board_20-BIO+: J1#39.2 J1#40.2 R12#20.2
Board_20-BIO-: J1#39.3 J1#40.3 R6#20.2
Board_20-DRL: J1#39.1 J1#40.1 R11#20.1
Board_20-GND: C4#20.2 C7#20.2 C8#20.1 C9#20.1 J2#39.2 J2#40.2 R9#20.1 U1#20.11
Board_20-inaOUT: R4#20.1 R5#20.2 U1#20.7
Board_20-Net-(C1-Pad1): C1#20.1 C2#20.2 R7#20.2 U1#20.9
Board_20-Net-(C1-Pad2): C1#20.2 R5#20.1
Board_20-Net-(R1-Pad1): R1#20.1 R2#20.2 U1#20.2
Board_20-Net-(R2-Pad1): R2#20.1 R3#20.2 U1#20.1
Board_20-Net-(R3-Pad1): R3#20.1 R4#20.2 U1#20.6
Board_20-Net-(R6-Pad1): R6#20.1 U1#20.3
Board_20-Net-(R12-Pad1): R12#20.1 U1#20.5
Board_20-OUT: C2#20.1 J2#39.1 J2#40.1 R7#20.1 U1#20.8
Board_20-VCC: C3#20.1 C7#20.1 C8#20.2 C9#20.2 J2#39.3 J2#40.3 R8#20.2 U1#20.4
Board_20-vRef: C3#20.2 C4#20.1 R8#20.1 R9#20.2 U1#20.12
Board_21-ampRef: R1#21.2 R11#21.2 U1#21.10 U1#21.13 U1#21.14
Board_21-BIO+: J1#41.2 J1#42.2 R12#21.2
Board_21-BIO-: J1#41.3 J1#42.3 R6#21.2
Board_21-DRL: J1#41.1 J1#42.1 R11#21.1
Board_21-GND: C4#21.2 C7#21.2 C8#21.1 C9#21.1 J2#41.2 J2#42.2 R9#21.1 U1#21.11
Board_21-inaOUT: R4#21.1 R5#21.2 U1#21.7
Board_21-Net-(C1-Pad1): C1#21.1 C2#21.2 R7#21.2 U1#21.9
Board_21-Net-(C1-Pad2): C1#21.2 R5#21.1
Board_21-Net-(R1-Pad1): R1#21.1 R2#21.2 U1#21.2
Board_21-Net-(R2-Pad1): R2#21.1 R3#21.2 U1#21.1
Board_21-Net-(R3-Pad1): R3#21.1 R4#21.2 U1#21.6
Board_21-Net-(R6-Pad1): R6#21.1 U1#21.3
Board_21-Net-(R12-Pad1): R12#21.1 U1#21.5
Board_21-OUT: C2#21.1 J2#41.1 J2#42.1 R7#21.1 U1#21.8
Board_21-VCC: C3#21.1 C7#21.1 C8#21.2 C9#21.2 J2#41.3 J2#42.3 R8#21.2 U1#21.4
Board_21-vRef: C3#21.2 C4#21.1 R8#21.1 R9#21.2 U1#21.12

## Via types
v1: diameter 1.7, hole 1.5, Top to Bottom, 63 vias
v2: diameter 0.5, hole 0.3, Top to Bottom, 315 vias
v3: diameter 0.4, hole 0.3, Top to Bottom, 1512 vias

## Routing (per net, layer and track width the routed paths; a pad name or vN(x,y) marks a point on that pad's centre or on a via; arc(x,y) is an arc through that point)
Board_1-ampRef: length 11.4
  Top w0.4: R1.2 17.74,86.1 18.64,86.1 U1.14 U1.13 20.73,87.5 ; R11.2 21.52,85.36 21.52,86.71 20.73,87.5 ; 20.73,87.5 20.73,87.64 v2(21.18,88.09) ; 18.63,89.48 18.66,89.45 U1.10
  Bottom w0.4: v2(21.18,88.09) 19.79,89.48 18.63,89.48
  vias: v2(18.63,89.46)
Board_1-BIO+: length 2.9
  Top w0.4: 28.8,89.8 R12.2 30.35,89.8 J1#2.2
  vias: v1(32.76,88.98)
Board_1-BIO-: length 5.3
  Top w0.4: 30.89,86.41 32.7,86.41 ; 29,88.3 R6.2 29.31,88.3 J1#2.3
  vias: v1(32.76,86.44)
Board_1-DRL: length 14.3
  Top w0.4: 19.59,85.34 R11.1 19.72,85.25 v2(20.87,86.4)
  Bottom w0.4: J1#2.1 26,91.53 v2(20.87,86.4)
  vias: v1(32.76,91.52)
Board_1-GND: length 35.9
  Top w0.3: 22.73,84.48 23.01,84.76 C8.1 23.01,84.72 23.25,84.48
  Top w0.4: C4.2 14.55,91.08 R9.1 14.6,90.88 v2(13.96,90.24) ; U1.11 20.3,88.8 ; U1.11 20.18,88.8 ; U1.11 20.31,88.8 23.19,91.67 C7.2 ; U1.11 v2(21.65,88.8) ; 23.09,85.25 22.94,85.25 ; 22.73,84.99 C8.1 23.25,85.03 ; 22.05,84.46 22.03,84.48 22.7,84.48 22.75,84.43 21.93,84.43 24.13,84.43 ; v2(16.66,85.31) 16.1,85.87 C9.1
  Bottom w0.4: v2(21.65,88.8) 19.36,91.09 14.81,91.09 v2(13.96,90.24) 13.1,89.38 13.1,88.21 13.64,87.67 14.3,87.67 v2(16.66,85.31)
  vias: v3(9.4,92.82) v3(9.48,85.18) v3(9.7,93.41) v3(9.8,84.47) v3(10.13,92.83) v3(10.11,85.16) v3(10.43,84.45) v3(10.71,85.17) v3(11.11,84.46) v3(11.33,85.17) v3(11.8,90.36) v3(11.94,87.54) v3(11.86,84.65) v3(12.08,85.37) v3(13.49,93.57) v3(13.46,92.92) v3(16.24,93.58) v3(16.27,92.86) v3(16.69,84.51) v3(18.6,93.58) v3(20.41,93.57) v3(20.51,84.44) v3(21.58,90.97) v3(22.13,84.43) v3(22.73,93.58) v3(22.69,84.43) v3(23.24,84.43) v3(23.72,93.58) v3(23.74,90.22) v3(23.88,84.42) v3(24.27,93.58) v3(24.82,93.58) v3(25.38,93.58) v3(25.36,84.43) v3(25.93,93.58) v3(25.93,92.99) v3(25.91,85.64) v3(25.91,84.94) v3(26.5,84.43) v3(27.13,84.43) v3(27.73,84.42) v3(27.84,93.57) v3(28.33,84.43) v3(28.95,84.43) v3(29.58,84.44) v3(29.73,93.55) v3(29.77,85.01) v3(30.06,92.92) v3(30.35,93.55) v3(30.35,84.44) v3(30.57,85.09) v3(30.68,92.92) v3(30.95,93.56) v3(30.95,84.43) v3(31.23,85.04) v3(31.27,92.96) v3(31.55,93.55) v3(31.55,84.44) v3(31.83,85.04) v3(31.86,92.96) v3(32.17,93.55) v3(32.17,84.44) v3(32.48,92.96) v3(32.45,85.04) v3(32.77,93.56) v3(32.77,84.43) v3(33.08,92.97) v3(33.05,85.03) v3(33.4,93.54) v3(33.4,84.45) v3(33.71,92.95) v3(33.67,85.02)
Board_1-inaOUT: length 5.2
  Top w0.4: R4.1 27.21,92.8 R5.2 25.11,91.03 U1.7
Board_1-Net-(C1-Pad1): length 8.6
  Top w0.3: U1.9 17.88,90.1 17.6,89.82 R7.2
  Top w0.4: R7.2 17.55,89.36 C2.2 ; 19.4,92.55 C1.1 19.71,92.55 20.97,91.29 20.97,90.61 20.46,90.1 U1.9
Board_1-Net-(C1-Pad2): length 9.4
  Top w0.4: 21.44,92.59 C1.2 22.14,91.85 v2(22.14,91.81) ; v2(29.39,92.36) 28.95,92.8 R5.1
  Bottom w0.4: v2(22.14,91.81) 22.69,92.36 v2(29.39,92.36)
Board_1-Net-(R1-Pad1): length 15.3
  Top w0.4: v2(24.11,87.49) 24.12,87.5 U1.2 ; v2(29.26,87.37) 28.71,86.82 R2.2 ; v2(18.17,86.84) 17.6,87.41 R1.1
  Bottom w0.4: v2(29.26,87.37) 29.14,87.49 v2(24.11,87.49) 22.27,85.65 19.35,85.65 18.21,86.79
Board_1-Net-(R2-Pad1): length 3.3
  Top w0.4: R3.2 R2.1 26.85,86.85 U1.1
Board_1-Net-(R3-Pad1): length 9.1
  Top w0.3: U1.6 25.84,90.1 26.89,91.15 R4.2
  Top w0.4: R3.1 27.78,86.25 27.78,90.41 R4.2
Board_1-Net-(R6-Pad1): length 1.8
  Top w0.4: R6.1 26.74,88.15 U1.3
Board_1-Net-(R12-Pad1): length 1.9
  Top w0.4: R12.1 26.54,89.45 U1.5
Board_1-OUT: length 11.2
  Top w0.4: R7.1 17.55,91.08 C2.1 ; R7.1 16.71,92.02 10.91,92.02 10.41,91.52 ; R7.1 19.01,91.13 U1.8
Board_1-VCC: length 30.7
  Top w0.4: 10.41,86.44 12.62,86.44 R8.2 13.15,86.01 C3.1 16.1,87.51 C9.2 16.22,87.73 v2(16.76,87.19) ; 24.81,85.25 24.81,85.52 ; 24.81,85.25 24.81,85.26 ; 24.81,85.25 24.81,85.27 ; U1.4 22.73,88.8 22.3,88.37 ; 22.3,88.37 22.3,89.94 24.77,92.41 C7.1 ; 22.3,88.37 22.3,87.7 C8.2 24.83,85.37 v2(24.83,86.04)
  Top w0.5: 10.75,86.24 10.57,86.42
  Bottom w0.4: v2(24.83,86.04) 23.84,85.05 18.9,85.05 v2(16.76,87.19)
Board_1-vRef: length 11.4
  Top w0.4: C3.2 R9.2 14.55,89.36 C4.1 R8.1 14.55,87.78 C3.2 ; C3.2 14.71,87.73 ; C3.2 14.69,87.73 ; C3.2 15.01,88.14 v2(15.08,88.14) ; v2(18.53,88.14) 18.54,88.15 U1.12
  Bottom w0.4: v2(18.53,88.14) v2(15.08,88.14)
Board_2-ampRef: length 11.4
  Top w0.4: R1#2.2 46.14,86.1 47.04,86.1 U1#2.14 U1#2.13 49.13,87.5 ; R11#2.2 49.92,85.36 49.92,86.71 49.13,87.5 ; 49.13,87.5 49.13,87.64 v2(49.58,88.09) ; 47.03,89.48 47.06,89.45 U1#2.10
  Bottom w0.4: v2(49.58,88.09) 48.19,89.48 47.03,89.48
  vias: v2(47.03,89.46)
Board_2-BIO+: length 2.9
  Top w0.4: 57.2,89.8 R12#2.2 58.75,89.8 J1#4.2